# Altium PCB Audio-Beamformer_V1.0.PcbDoc (part 7 of 11) (continued)
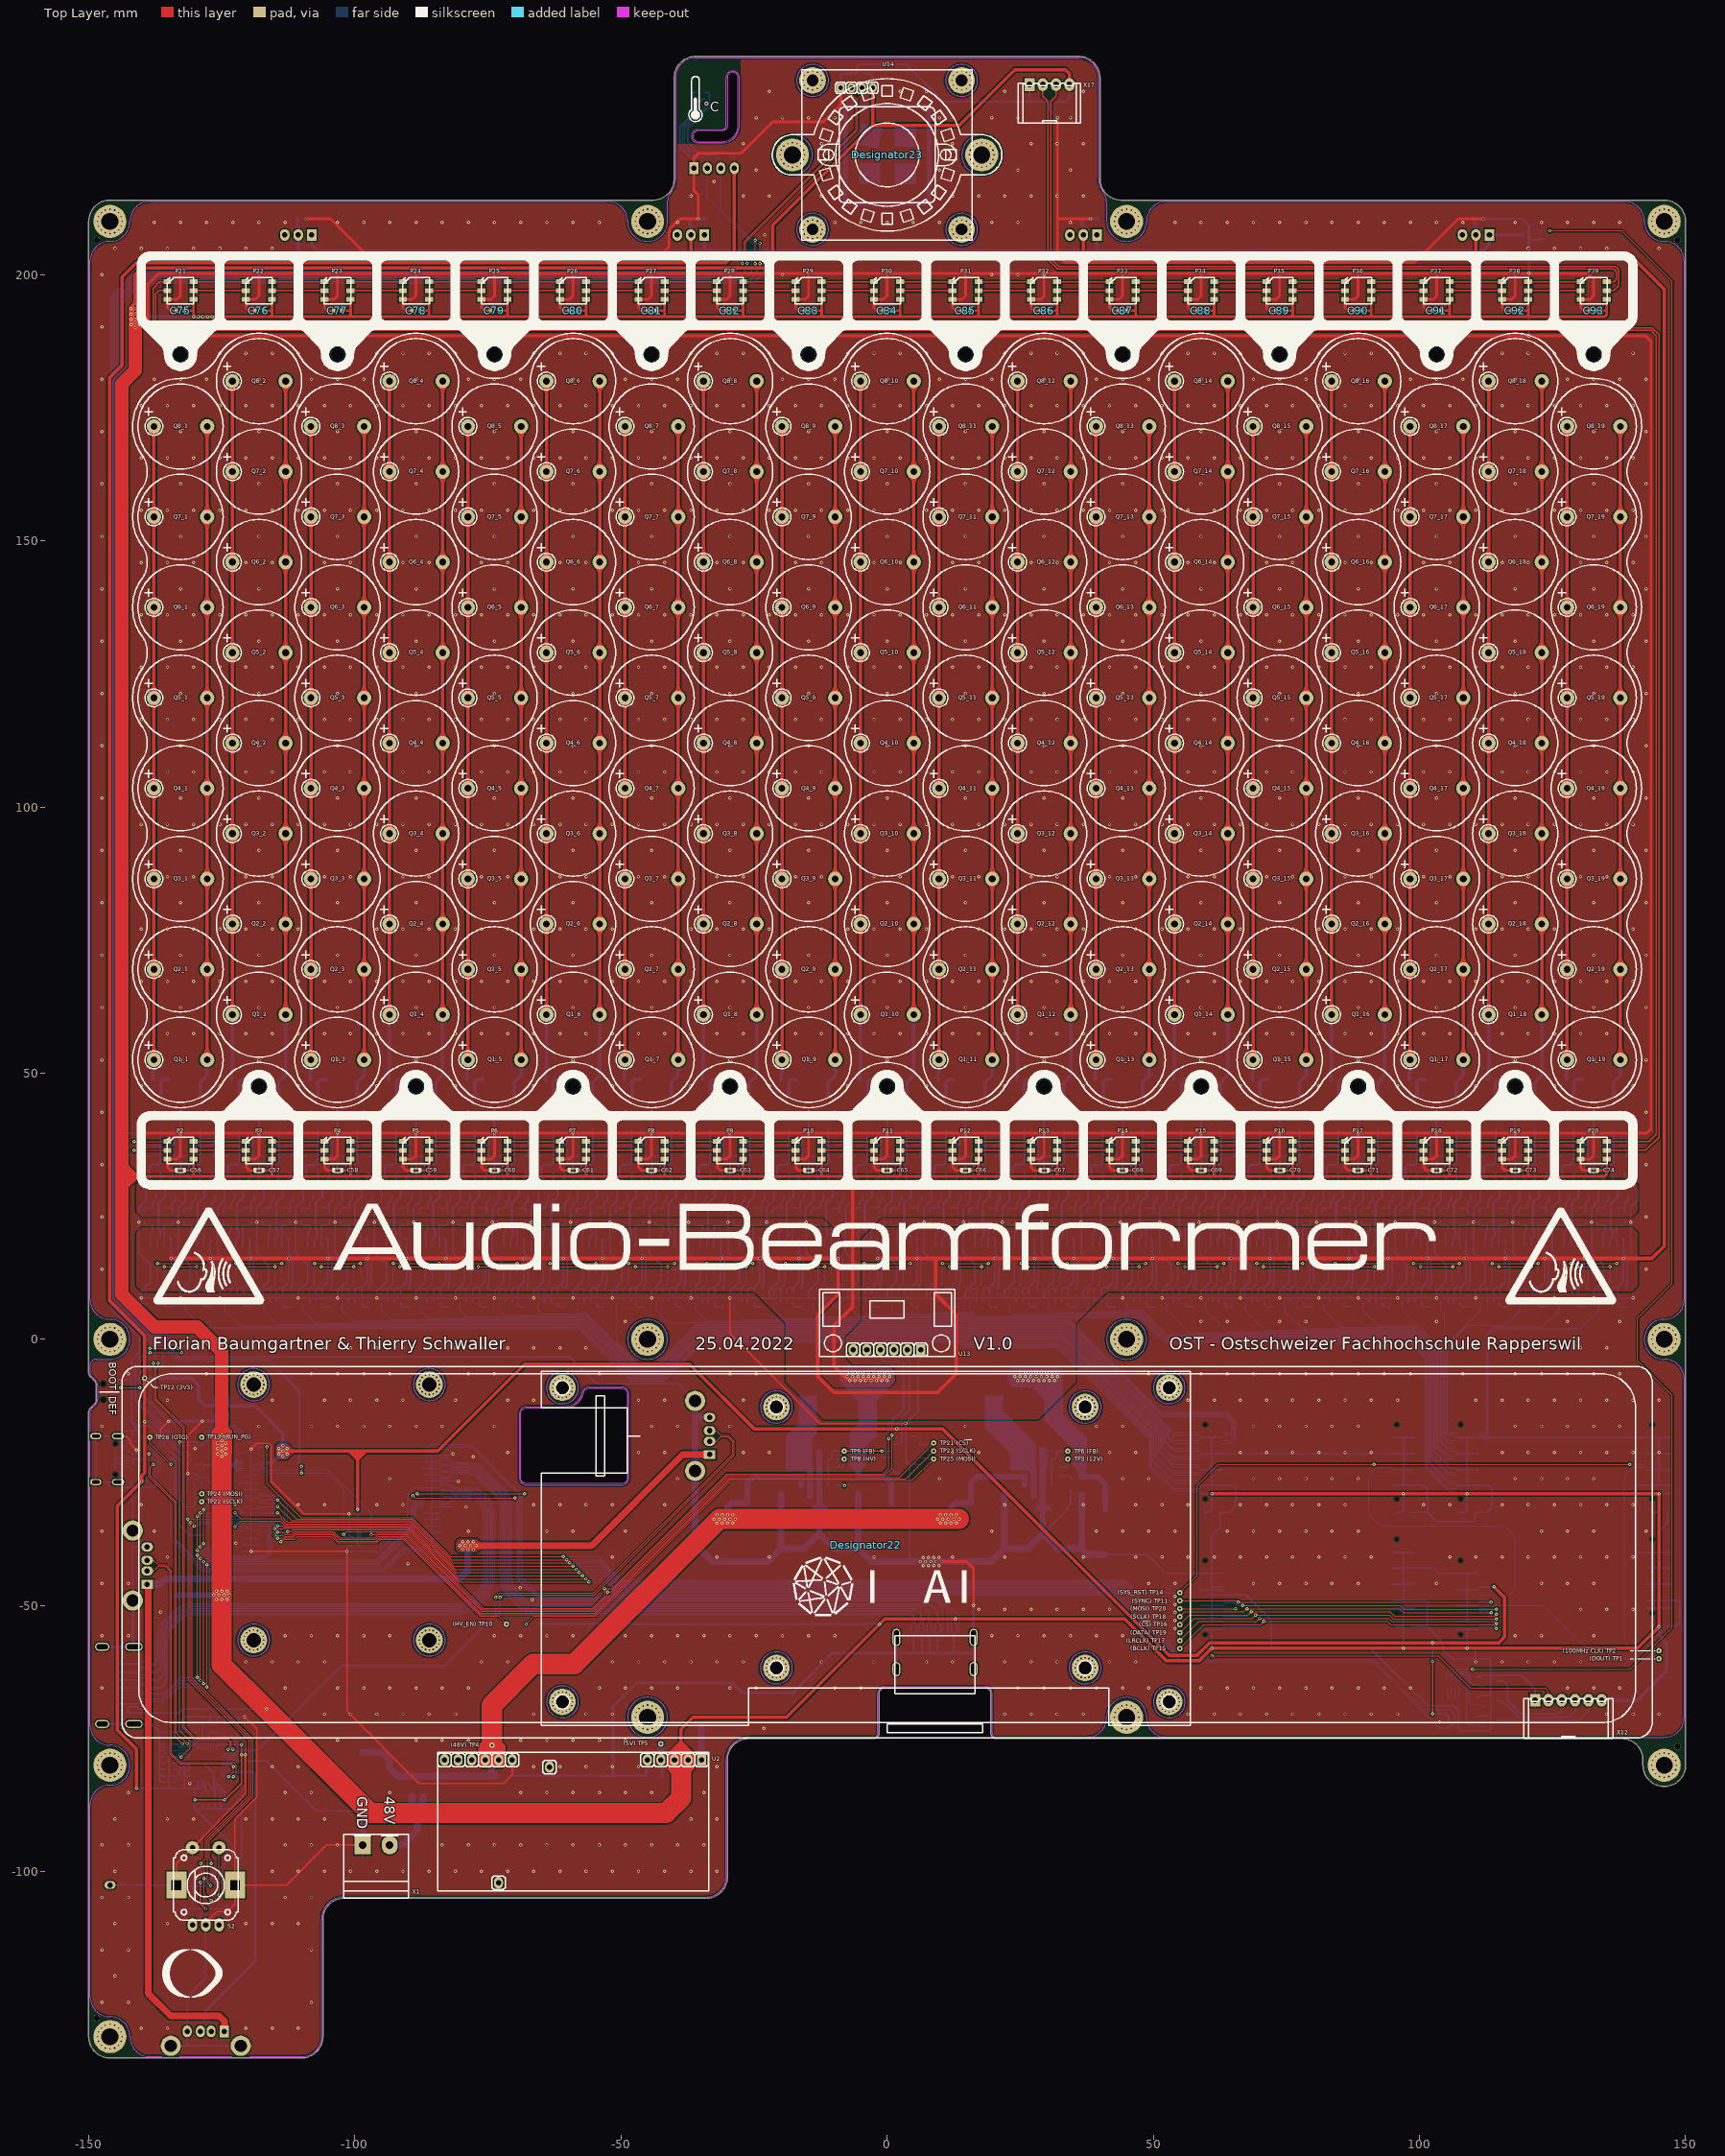
[diagram p0: Top Layer view]
## Nets (pads, with @x,y where several pads share a name; then routed paths per layer and width w, separated by ;. In a path a pad name is that pad's centre, name@x,y a point inside that pad or via, vN(x,y) a via of type N, cw(c..) or ccw(c..) an arc to the next point about the centre after c; other vN are vias at no path point) (continued)
NetC27_2_1: C27_2.1 D6_2.A D8_2.K K1_2.S K2_2.D L3_2.1 R15_2.2 U6_2.6 | length 28.7
  Bottom Layer w0.254: U6_2.6@-114.947,17.45 -114.947,18.855 C27_2.1@-114.449,19.353
  Bottom Layer w0.381: R15_2.2@-116.205,36.5 -114.312,36.5 ; C27_2.1@-114.45,19.5 -114.449,20.339 -114.75,20.639 -114.75,25.563 -113.419,26.894 K1_2.S@-113.419,27.05 -113.47,27.101 -113.47,27.895 -113.825,28.25 -115.906,28.25 -116.156,28.5 K2_2.D@-116.156,29.45 -116.156,30.131 -116.525,30.5 D8_2.K@-116.525,31.13 -116.525,32.381 -116.156,32.75 -114.812,32.75 -114.312,33.25 D6_2.A@-114.312,34.37 -114.312,36.5 ; L3_2.1@-114.312,39.35 -114.312,36.5
NetC27_2_2: C27_2.2 D4_2.K U6_2.8 | length 10.3
  Bottom Layer w0.254: C27_2.2@-112.735,19.168 -112.407,18.84 U6_2.8@-112.407,17.45 -112.407,16.046 -111.692,15.331 -111.692,10.5 -111.931,10.261 D4_2.K@-111.931,9.37
NetC27_3_1: C27_3.1 D6_3.A D8_3.K K1_3.S K2_3.D L3_3.1 R15_3.2 U6_3.6 | length 28.7
  Bottom Layer w0.254: U6_3.6@-100.197,17.45 -100.197,18.855 C27_3.1@-99.699,19.353
  Bottom Layer w0.381: R15_3.2@-101.455,36.5 -99.563,36.5 ; C27_3.1@-99.7,19.5 -99.699,20.339 -100,20.639 -100,25.563 -98.669,26.894 K1_3.S@-98.669,27.05 -98.72,27.101 -98.72,27.895 -99.075,28.25 -101.156,28.25 -101.406,28.5 K2_3.D@-101.406,29.45 -101.406,30.131 -101.775,30.5 D8_3.K@-101.775,31.13 -101.775,32.381 -101.406,32.75 -100.062,32.75 -99.563,33.25 D6_3.A@-99.563,34.37 -99.563,36.5 ; L3_3.1@-99.563,39.35 -99.563,36.5
NetC27_3_2: C27_3.2 D4_3.K U6_3.8 | length 10.3
  Bottom Layer w0.254: C27_3.2@-97.985,19.168 -97.657,18.84 U6_3.8@-97.657,17.45 -97.657,16.046 -96.942,15.331 -96.942,10.5 -97.181,10.261 D4_3.K@-97.181,9.37
NetC27_4_1: C27_4.1 D6_4.A D8_4.K K1_4.S K2_4.D L3_4.1 R15_4.2 U6_4.6 | length 28.7
  Bottom Layer w0.254: U6_4.6@-85.447,17.45 -85.447,18.855 C27_4.1@-84.949,19.353
  Bottom Layer w0.381: R15_4.2@-86.705,36.5 -84.812,36.5 ; C27_4.1@-84.95,19.5 -84.949,20.339 -85.25,20.639 -85.25,25.563 -83.919,26.894 K1_4.S@-83.919,27.05 -83.97,27.101 -83.97,27.895 -84.325,28.25 -86.406,28.25 -86.656,28.5 K2_4.D@-86.656,29.45 -86.656,30.131 -87.025,30.5 D8_4.K@-87.025,31.13 -87.025,32.381 -86.656,32.75 -85.312,32.75 -84.812,33.25 D6_4.A@-84.812,34.37 -84.812,36.5 ; L3_4.1@-84.812,39.35 -84.812,36.5
NetC27_4_2: C27_4.2 D4_4.K U6_4.8 | length 10.3
  Bottom Layer w0.254: C27_4.2@-83.235,19.168 -82.907,18.84 U6_4.8@-82.907,17.45 -82.907,16.046 -82.192,15.331 -82.192,10.5 -82.431,10.261 D4_4.K@-82.431,9.37
NetC27_5_1: C27_5.1 D6_5.A D8_5.K K1_5.S K2_5.D L3_5.1 R15_5.2 U6_5.6 | length 28.7
  Bottom Layer w0.254: U6_5.6@-70.697,17.45 -70.697,18.855 C27_5.1@-70.199,19.353
  Bottom Layer w0.381: R15_5.2@-71.955,36.5 -70.062,36.5 ; C27_5.1@-70.199,19.5 -70.199,20.339 -70.5,20.639 -70.5,25.563 -69.169,26.894 K1_5.S@-69.169,27.05 -69.22,27.101 -69.22,27.895 -69.575,28.25 -71.656,28.25 -71.906,28.5 K2_5.D@-71.906,29.45 -71.906,30.131 -72.275,30.5 D8_5.K@-72.275,31.13 -72.275,32.381 -71.906,32.75 -70.562,32.75 -70.062,33.25 D6_5.A@-70.062,34.37 -70.062,36.5 ; L3_5.1@-70.062,39.35 -70.062,36.5
NetC27_5_2: C27_5.2 D4_5.K U6_5.8 | length 10.3
  Bottom Layer w0.254: C27_5.2@-68.485,19.168 -68.157,18.84 U6_5.8@-68.157,17.45 -68.157,16.046 -67.442,15.331 -67.442,10.5 -67.681,10.261 D4_5.K@-67.681,9.37
NetC27_6_1: C27_6.1 D6_6.A D8_6.K K1_6.S K2_6.D L3_6.1 R15_6.2 U6_6.6 | length 28.7
  Bottom Layer w0.254: U6_6.6@-55.947,17.45 -55.947,18.855 C27_6.1@-55.449,19.353
  Bottom Layer w0.381: R15_6.2@-57.205,36.5 -55.313,36.5 ; C27_6.1@-55.449,19.5 -55.449,20.339 -55.75,20.639 -55.75,25.563 -54.419,26.894 K1_6.S@-54.419,27.05 -54.47,27.101 -54.47,27.895 -54.825,28.25 -56.906,28.25 -57.156,28.5 K2_6.D@-57.156,29.45 -57.156,30.131 -57.525,30.5 D8_6.K@-57.525,31.13 -57.525,32.381 -57.156,32.75 -55.812,32.75 -55.313,33.25 D6_6.A@-55.313,34.37 -55.313,36.5 ; L3_6.1@-55.313,39.35 -55.313,36.5
NetC27_6_2: C27_6.2 D4_6.K U6_6.8 | length 10.3
  Bottom Layer w0.254: C27_6.2@-53.735,19.168 -53.407,18.84 U6_6.8@-53.407,17.45 -53.407,16.046 -52.692,15.331 -52.692,10.5 -52.931,10.261 D4_6.K@-52.931,9.37
NetC27_7_1: C27_7.1 D6_7.A D8_7.K K1_7.S K2_7.D L3_7.1 R15_7.2 U6_7.6 | length 28.7
  Bottom Layer w0.254: U6_7.6@-41.197,17.45 -41.197,18.855 C27_7.1@-40.699,19.353
  Bottom Layer w0.381: R15_7.2@-42.455,36.5 -40.562,36.5 ; C27_7.1@-40.699,19.5 -40.699,20.339 -41,20.639 -41,25.563 -39.669,26.894 K1_7.S@-39.669,27.05 -39.72,27.101 -39.72,27.895 -40.075,28.25 -42.156,28.25 -42.406,28.5 K2_7.D@-42.406,29.45 -42.406,30.131 -42.775,30.5 D8_7.K@-42.775,31.13 -42.775,32.381 -42.406,32.75 -41.062,32.75 -40.562,33.25 D6_7.A@-40.562,34.37 -40.562,36.5 ; L3_7.1@-40.562,39.35 -40.562,36.5
NetC27_7_2: C27_7.2 D4_7.K U6_7.8 | length 10.3
  Bottom Layer w0.254: C27_7.2@-38.985,19.168 -38.657,18.84 U6_7.8@-38.657,17.45 -38.657,16.046 -37.942,15.331 -37.942,10.5 -38.181,10.261 D4_7.K@-38.181,9.37
NetC27_8_1: C27_8.1 D6_8.A D8_8.K K1_8.S K2_8.D L3_8.1 R15_8.2 U6_8.6 | length 28.7
  Bottom Layer w0.254: U6_8.6@-26.447,17.45 -26.447,18.855 C27_8.1@-25.949,19.353
  Bottom Layer w0.381: R15_8.2@-27.705,36.5 -25.813,36.5 ; C27_8.1@-25.95,19.5 -25.949,20.339 -26.25,20.639 -26.25,25.563 -24.919,26.894 K1_8.S@-24.919,27.05 -24.97,27.101 -24.97,27.895 -25.325,28.25 -27.406,28.25 -27.656,28.5 K2_8.D@-27.656,29.45 -27.656,30.131 -28.025,30.5 D8_8.K@-28.025,31.13 -28.025,32.381 -27.656,32.75 -26.313,32.75 -25.813,33.25 D6_8.A@-25.813,34.37 -25.813,36.5 ; L3_8.1@-25.813,39.35 -25.813,36.5
NetC27_8_2: C27_8.2 D4_8.K U6_8.8 | length 10.3
  Bottom Layer w0.254: C27_8.2@-24.235,19.168 -23.907,18.84 U6_8.8@-23.907,17.45 -23.907,16.046 -23.192,15.331 -23.192,10.5 -23.431,10.261 D4_8.K@-23.431,9.37
NetC27_9_1: C27_9.1 D6_9.A D8_9.K K1_9.S K2_9.D L3_9.1 R15_9.2 U6_9.6 | length 28.7
  Bottom Layer w0.254: U6_9.6@-11.697,17.45 -11.697,18.855 C27_9.1@-11.199,19.353
  Bottom Layer w0.381: R15_9.2@-12.955,36.5 -11.063,36.5 ; C27_9.1@-11.2,19.5 -11.199,20.339 -11.5,20.639 -11.5,25.563 -10.169,26.894 K1_9.S@-10.169,27.05 -10.22,27.101 -10.22,27.895 -10.575,28.25 -12.656,28.25 -12.906,28.5 K2_9.D@-12.906,29.45 -12.906,30.131 -13.275,30.5 D8_9.K@-13.275,31.13 -13.275,32.381 -12.906,32.75 -11.562,32.75 -11.063,33.25 D6_9.A@-11.063,34.37 -11.063,36.5 ; L3_9.1@-11.063,39.35 -11.063,36.5
NetC27_9_2: C27_9.2 D4_9.K U6_9.8 | length 10.3
  Bottom Layer w0.254: C27_9.2@-9.485,19.168 -9.157,18.84 U6_9.8@-9.157,17.45 -9.157,16.046 -8.442,15.331 -8.442,10.5 -8.681,10.261 D4_9.K@-8.681,9.37
NetC27_10_1: C27_10.1 D6_10.A D8_10.K K1_10.S K2_10.D L3_10.1 R15_10.2 U6_10.6 | length 28.7
  Bottom Layer w0.254: U6_10.6@3.053,17.45 3.053,18.855 C27_10.1@3.551,19.353
  Bottom Layer w0.381: R15_10.2@1.795,36.5 3.688,36.5 ; C27_10.1@3.55,19.5 3.551,20.339 3.25,20.639 3.25,25.563 4.581,26.894 K1_10.S@4.581,27.05 4.53,27.101 4.53,27.895 4.175,28.25 2.094,28.25 1.844,28.5 K2_10.D@1.844,29.45 1.844,30.131 1.475,30.5 D8_10.K@1.475,31.13 1.475,32.381 1.844,32.75 3.188,32.75 3.688,33.25 D6_10.A@3.688,34.37 3.688,36.5 ; L3_10.1@3.688,39.35 3.688,36.5
NetC27_10_2: C27_10.2 D4_10.K U6_10.8 | length 10.3
  Bottom Layer w0.254: C27_10.2@5.265,19.168 5.593,18.84 U6_10.8@5.593,17.45 5.593,16.046 6.308,15.331 6.308,10.5 6.069,10.261 D4_10.K@6.069,9.37
NetC27_11_1: C27_11.1 D6_11.A D8_11.K K1_11.S K2_11.D L3_11.1 R15_11.2 U6_11.6 | length 28.7
  Bottom Layer w0.254: U6_11.6@17.803,17.45 17.803,18.855 C27_11.1@18.301,19.353
  Bottom Layer w0.381: R15_11.2@16.545,36.5 18.438,36.5 ; C27_11.1@18.3,19.5 18.301,20.339 18,20.639 18,25.563 19.331,26.894 K1_11.S@19.331,27.05 19.28,27.101 19.28,27.895 18.925,28.25 16.844,28.25 16.594,28.5 K2_11.D@16.594,29.45 16.594,30.131 16.225,30.5 D8_11.K@16.225,31.13 16.225,32.381 16.594,32.75 17.938,32.75 18.438,33.25 D6_11.A@18.438,34.37 18.438,36.5 ; L3_11.1@18.438,39.35 18.438,36.5
NetC27_11_2: C27_11.2 D4_11.K U6_11.8 | length 10.3
  Bottom Layer w0.254: C27_11.2@20.015,19.168 20.343,18.84 U6_11.8@20.343,17.45 20.343,16.046 21.058,15.331 21.058,10.5 20.819,10.261 D4_11.K@20.819,9.37
NetC27_12_1: C27_12.1 D6_12.A D8_12.K K1_12.S K2_12.D L3_12.1 R15_12.2 U6_12.6 | length 28.7
  Bottom Layer w0.254: U6_12.6@32.553,17.45 32.553,18.855 C27_12.1@33.051,19.353
  Bottom Layer w0.381: R15_12.2@31.295,36.5 33.188,36.5 ; C27_12.1@33.05,19.5 33.051,20.339 32.75,20.639 32.75,25.563 34.081,26.894 K1_12.S@34.081,27.05 34.03,27.101 34.03,27.895 33.675,28.25 31.594,28.25 31.344,28.5 K2_12.D@31.344,29.45 31.344,30.131 30.975,30.5 D8_12.K@30.975,31.13 30.975,32.381 31.344,32.75 32.688,32.75 33.188,33.25 D6_12.A@33.188,34.37 33.188,36.5 ; L3_12.1@33.188,39.35 33.188,36.5
NetC27_12_2: C27_12.2 D4_12.K U6_12.8 | length 10.3
  Bottom Layer w0.254: C27_12.2@34.765,19.168 35.093,18.84 U6_12.8@35.093,17.45 35.093,16.046 35.808,15.331 35.808,10.5 35.569,10.261 D4_12.K@35.569,9.37
NetC27_13_1: C27_13.1 D6_13.A D8_13.K K1_13.S K2_13.D L3_13.1 R15_13.2 U6_13.6 | length 28.7
  Bottom Layer w0.254: U6_13.6@47.303,17.45 47.303,18.855 C27_13.1@47.801,19.353
  Bottom Layer w0.381: R15_13.2@46.045,36.5 47.938,36.5 ; C27_13.1@47.8,19.5 47.801,20.339 47.5,20.639 47.5,25.563 48.831,26.894 K1_13.S@48.831,27.05 48.78,27.101 48.78,27.895 48.425,28.25 46.344,28.25 46.094,28.5 K2_13.D@46.094,29.45 46.094,30.131 45.725,30.5 D8_13.K@45.725,31.13 45.725,32.381 46.094,32.75 47.438,32.75 47.938,33.25 D6_13.A@47.938,34.37 47.938,36.5 ; L3_13.1@47.938,39.35 47.938,36.5
NetC27_13_2: C27_13.2 D4_13.K U6_13.8 | length 10.3
  Bottom Layer w0.254: C27_13.2@49.515,19.168 49.843,18.84 U6_13.8@49.843,17.45 49.843,16.046 50.558,15.331 50.558,10.5 50.319,10.261 D4_13.K@50.319,9.37
NetC27_14_1: C27_14.1 D6_14.A D8_14.K K1_14.S K2_14.D L3_14.1 R15_14.2 U6_14.6 | length 28.7
  Bottom Layer w0.254: U6_14.6@62.053,17.45 62.053,18.855 C27_14.1@62.551,19.353
  Bottom Layer w0.381: R15_14.2@60.795,36.5 62.688,36.5 ; C27_14.1@62.55,19.5 62.551,20.339 62.25,20.639 62.25,25.563 63.581,26.894 K1_14.S@63.581,27.05 63.53,27.101 63.53,27.895 63.175,28.25 61.094,28.25 60.844,28.5 K2_14.D@60.844,29.45 60.844,30.131 60.475,30.5 D8_14.K@60.475,31.13 60.475,32.381 60.844,32.75 62.188,32.75 62.688,33.25 D6_14.A@62.688,34.37 62.688,36.5 ; L3_14.1@62.688,39.35 62.688,36.5
NetC27_14_2: C27_14.2 D4_14.K U6_14.8 | length 10.3
  Bottom Layer w0.254: C27_14.2@64.265,19.168 64.593,18.84 U6_14.8@64.593,17.45 64.593,16.046 65.308,15.331 65.308,10.5 65.069,10.261 D4_14.K@65.069,9.37
NetC27_15_1: C27_15.1 D6_15.A D8_15.K K1_15.S K2_15.D L3_15.1 R15_15.2 U6_15.6 | length 28.7
  Bottom Layer w0.254: U6_15.6@76.803,17.45 76.803,18.855 C27_15.1@77.301,19.353
  Bottom Layer w0.381: R15_15.2@75.545,36.5 77.438,36.5 ; C27_15.1@77.3,19.5 77.301,20.339 77,20.639 77,25.563 78.331,26.894 K1_15.S@78.331,27.05 78.28,27.101 78.28,27.895 77.925,28.25 75.844,28.25 75.594,28.5 K2_15.D@75.594,29.45 75.594,30.131 75.225,30.5 D8_15.K@75.225,31.13 75.225,32.381 75.594,32.75 76.938,32.75 77.438,33.25 D6_15.A@77.438,34.37 77.438,36.5 ; L3_15.1@77.438,39.35 77.438,36.5
NetC27_15_2: C27_15.2 D4_15.K U6_15.8 | length 10.3
  Bottom Layer w0.254: C27_15.2@79.015,19.168 79.343,18.84 U6_15.8@79.343,17.45 79.343,16.046 80.058,15.331 80.058,10.5 79.819,10.261 D4_15.K@79.819,9.37
NetC27_16_1: C27_16.1 D6_16.A D8_16.K K1_16.S K2_16.D L3_16.1 R15_16.2 U6_16.6 | length 28.7
  Bottom Layer w0.254: U6_16.6@91.553,17.45 91.553,18.855 C27_16.1@92.051,19.353
  Bottom Layer w0.381: R15_16.2@90.295,36.5 92.188,36.5 ; C27_16.1@92.05,19.5 92.051,20.339 91.75,20.639 91.75,25.563 93.081,26.894 K1_16.S@93.081,27.05 93.03,27.101 93.03,27.895 92.675,28.25 90.594,28.25 90.344,28.5 K2_16.D@90.344,29.45 90.344,30.131 89.975,30.5 D8_16.K@89.975,31.13 89.975,32.381 90.344,32.75 91.688,32.75 92.188,33.25 D6_16.A@92.188,34.37 92.188,36.5 ; L3_16.1@92.188,39.35 92.188,36.5
NetC27_16_2: C27_16.2 D4_16.K U6_16.8 | length 10.3
  Bottom Layer w0.254: C27_16.2@93.765,19.168 94.093,18.84 U6_16.8@94.093,17.45 94.093,16.046 94.808,15.331 94.808,10.5 94.569,10.261 D4_16.K@94.569,9.37
NetC27_17_1: C27_17.1 D6_17.A D8_17.K K1_17.S K2_17.D L3_17.1 R15_17.2 U6_17.6 | length 28.7
  Bottom Layer w0.254: U6_17.6@106.303,17.45 106.303,18.855 C27_17.1@106.801,19.353
  Bottom Layer w0.381: R15_17.2@105.045,36.5 106.938,36.5 ; C27_17.1@106.801,19.5 106.801,20.339 106.5,20.639 106.5,25.563 107.831,26.894 K1_17.S@107.831,27.05 107.78,27.101 107.78,27.895 107.425,28.25 105.344,28.25 105.094,28.5 K2_17.D@105.094,29.45 105.094,30.131 104.725,30.5 D8_17.K@104.725,31.13 104.725,32.381 105.094,32.75 106.438,32.75 106.938,33.25 D6_17.A@106.938,34.37 106.938,36.5 ; L3_17.1@106.938,39.35 106.938,36.5
NetC27_17_2: C27_17.2 D4_17.K U6_17.8 | length 10.3
  Bottom Layer w0.254: C27_17.2@108.515,19.168 108.843,18.84 U6_17.8@108.843,17.45 108.843,16.046 109.558,15.331 109.558,10.5 109.319,10.261 D4_17.K@109.319,9.37
NetC27_18_1: C27_18.1 D6_18.A D8_18.K K1_18.S K2_18.D L3_18.1 R15_18.2 U6_18.6 | length 28.7
  Bottom Layer w0.254: U6_18.6@121.053,17.45 121.053,18.855 C27_18.1@121.551,19.353
  Bottom Layer w0.381: R15_18.2@119.795,36.5 121.688,36.5 ; C27_18.1@121.551,19.5 121.551,20.339 121.25,20.639 121.25,25.563 122.581,26.894 K1_18.S@122.581,27.05 122.53,27.101 122.53,27.895 122.175,28.25 120.094,28.25 119.844,28.5 K2_18.D@119.844,29.45 119.844,30.131 119.475,30.5 D8_18.K@119.475,31.13 119.475,32.381 119.844,32.75 121.188,32.75 121.688,33.25 D6_18.A@121.688,34.37 121.688,36.5 ; L3_18.1@121.688,39.35 121.688,36.5
NetC27_18_2: C27_18.2 D4_18.K U6_18.8 | length 10.3
  Bottom Layer w0.254: C27_18.2@123.265,19.168 123.593,18.84 U6_18.8@123.593,17.45 123.593,16.046 124.308,15.331 124.308,10.5 124.069,10.261 D4_18.K@124.069,9.37
NetC27_19_1: C27_19.1 D6_19.A D8_19.K K1_19.S K2_19.D L3_19.1 R15_19.2 U6_19.6 | length 28.7
  Bottom Layer w0.254: U6_19.6@135.803,17.45 135.803,18.855 C27_19.1@136.301,19.353
  Bottom Layer w0.381: R15_19.2@134.545,36.5 136.438,36.5 ; C27_19.1@136.3,19.5 136.301,20.339 136,20.639 136,25.563 137.331,26.894 K1_19.S@137.331,27.05 137.28,27.101 137.28,27.895 136.925,28.25 134.844,28.25 134.594,28.5 K2_19.D@134.594,29.45 134.594,30.131 134.225,30.5 D8_19.K@134.225,31.13 134.225,32.381 134.594,32.75 135.938,32.75 136.438,33.25 D6_19.A@136.438,34.37 136.438,36.5 ; L3_19.1@136.438,39.35 136.438,36.5
NetC27_19_2: C27_19.2 D4_19.K U6_19.8 | length 10.3
  Bottom Layer w0.254: C27_19.2@138.015,19.168 138.343,18.84 U6_19.8@138.343,17.45 138.343,16.046 139.058,15.331 139.058,10.5 138.819,10.261 D4_19.K@138.819,9.37
NetC28_1_1: C28_1.1 R15_1.1 | length 2
  Bottom Layer w0.381: R15_1.1@-127.907,36.5 -126.731,36.5 -126.481,36.75 C28_1.1@-126.481,37.262
NetC28_2_1: C28_2.1 R15_2.1 | length 2
  Bottom Layer w0.381: R15_2.1@-113.157,36.5 -111.981,36.5 -111.731,36.75 C28_2.1@-111.731,37.262
NetC28_3_1: C28_3.1 R15_3.1 | length 2
  Bottom Layer w0.381: R15_3.1@-98.407,36.5 -97.231,36.5 -96.981,36.75 C28_3.1@-96.981,37.262
NetC28_4_1: C28_4.1 R15_4.1 | length 2
  Bottom Layer w0.381: R15_4.1@-83.657,36.5 -82.481,36.5 -82.231,36.75 C28_4.1@-82.231,37.262
NetC28_5_1: C28_5.1 R15_5.1 | length 2
  Bottom Layer w0.381: R15_5.1@-68.907,36.5 -67.731,36.5 -67.481,36.75 C28_5.1@-67.481,37.262
NetC28_6_1: C28_6.1 R15_6.1 | length 2
  Bottom Layer w0.381: R15_6.1@-54.157,36.5 -52.981,36.5 -52.731,36.75 C28_6.1@-52.731,37.262
NetC28_7_1: C28_7.1 R15_7.1 | length 2
  Bottom Layer w0.381: R15_7.1@-39.407,36.5 -38.231,36.5 -37.981,36.75 C28_7.1@-37.981,37.262
NetC28_8_1: C28_8.1 R15_8.1 | length 2
  Bottom Layer w0.381: R15_8.1@-24.657,36.5 -23.481,36.5 -23.231,36.75 C28_8.1@-23.231,37.262
NetC28_9_1: C28_9.1 R15_9.1 | length 2
  Bottom Layer w0.381: R15_9.1@-9.907,36.5 -8.731,36.5 -8.481,36.75 C28_9.1@-8.481,37.262
NetC28_10_1: C28_10.1 R15_10.1 | length 2
  Bottom Layer w0.381: R15_10.1@4.843,36.5 6.019,36.5 6.269,36.75 C28_10.1@6.269,37.262
NetC28_11_1: C28_11.1 R15_11.1 | length 2
  Bottom Layer w0.381: R15_11.1@19.593,36.5 20.769,36.5 21.019,36.75 C28_11.1@21.019,37.262
NetC28_12_1: C28_12.1 R15_12.1 | length 2
  Bottom Layer w0.381: R15_12.1@34.343,36.5 35.519,36.5 35.769,36.75 C28_12.1@35.769,37.262
NetC28_13_1: C28_13.1 R15_13.1 | length 2
  Bottom Layer w0.381: R15_13.1@49.093,36.5 50.269,36.5 50.519,36.75 C28_13.1@50.519,37.262
NetC28_14_1: C28_14.1 R15_14.1 | length 2
  Bottom Layer w0.381: R15_14.1@63.843,36.5 65.019,36.5 65.269,36.75 C28_14.1@65.269,37.262
NetC28_15_1: C28_15.1 R15_15.1 | length 2
  Bottom Layer w0.381: R15_15.1@78.593,36.5 79.769,36.5 80.019,36.75 C28_15.1@80.019,37.262
NetC28_16_1: C28_16.1 R15_16.1 | length 2
  Bottom Layer w0.381: R15_16.1@93.343,36.5 94.519,36.5 94.769,36.75 C28_16.1@94.769,37.262
NetC28_17_1: C28_17.1 R15_17.1 | length 2
  Bottom Layer w0.381: R15_17.1@108.093,36.5 109.269,36.5 109.519,36.75 C28_17.1@109.519,37.262
NetC28_18_1: C28_18.1 R15_18.1 | length 2
  Bottom Layer w0.381: R15_18.1@122.843,36.5 124.019,36.5 124.269,36.75 C28_18.1@124.269,37.262
NetC28_19_1: C28_19.1 R15_19.1 | length 2
  Bottom Layer w0.381: R15_19.1@137.593,36.5 138.769,36.5 139.019,36.75 C28_19.1@139.019,37.262
NetC31_1_1: C31_1.1 D11_1.A D13_1.K K3_1.S K4_1.D L4_1.1 R20_1.2 U7_1.6 | length 28.7
  Bottom Layer w0.254: U7_1.6@-137.072,17.45 -137.072,18.855 C31_1.1@-136.574,19.353
  Bottom Layer w0.381: R20_1.2@-138.33,36.5 -136.438,36.5 ; C31_1.1@-136.574,19.5 -136.574,20.339 -136.875,20.639 -136.875,25.563 -135.544,26.894 K3_1.S@-135.544,27.05 -135.595,27.101 -135.595,27.895 -135.95,28.25 -138.031,28.25 -138.281,28.5 K4_1.D@-138.281,29.45 -138.281,30.131 -138.65,30.5 D13_1.K@-138.65,31.13 -138.65,32.381 -138.281,32.75 -136.938,32.75 -136.438,33.25 D11_1.A@-136.438,34.37 -136.438,36.5 ; L4_1.1@-136.438,39.35 -136.438,36.5
NetC31_1_2: C31_1.2 D9_1.K U7_1.8 | length 10.6
  Bottom Layer w0.254: C31_1.2@-134.86,19.168 -134.532,18.84 U7_1.8@-134.532,17.45 -134.532,16.046 -133.817,15.331 -133.817,10.5 -134.056,10.261 D9_1.K@-134.056,9.37 ; D9_1.K@-134.017,9.397 D9_1.K@-133.817,9.597
NetC31_2_1: C31_2.1 D11_2.A D13_2.K K3_2.S K4_2.D L4_2.1 R20_2.2 U7_2.6 | length 28.7
  Bottom Layer w0.254: U7_2.6@-122.322,17.45 -122.322,18.855 C31_2.1@-121.824,19.353
  Bottom Layer w0.381: R20_2.2@-123.58,36.5 -121.688,36.5 ; C31_2.1@-121.825,19.5 -121.824,20.339 -122.125,20.639 -122.125,25.563 -120.794,26.894 K3_2.S@-120.794,27.05 -120.845,27.101 -120.845,27.895 -121.2,28.25 -123.281,28.25 -123.531,28.5 K4_2.D@-123.531,29.45 -123.531,30.131 -123.9,30.5 D13_2.K@-123.9,31.13 -123.9,32.381 -123.531,32.75 -122.188,32.75 -121.688,33.25 D11_2.A@-121.688,34.37 -121.688,36.5 ; L4_2.1@-121.688,39.35 -121.688,36.5
NetC31_2_2: C31_2.2 D9_2.K U7_2.8 | length 10.6
  Bottom Layer w0.254: C31_2.2@-120.11,19.168 -119.782,18.84 U7_2.8@-119.782,17.45 -119.782,16.046 -119.067,15.331 -119.067,10.5 -119.306,10.261 D9_2.K@-119.306,9.37 ; D9_2.K@-119.267,9.397 D9_2.K@-119.067,9.597
NetC31_3_1: C31_3.1 D11_3.A D13_3.K K3_3.S K4_3.D L4_3.1 R20_3.2 U7_3.6 | length 28.7
  Bottom Layer w0.254: U7_3.6@-107.572,17.45 -107.572,18.855 C31_3.1@-107.074,19.353
  Bottom Layer w0.381: R20_3.2@-108.83,36.5 -106.938,36.5 ; C31_3.1@-107.075,19.5 -107.074,20.339 -107.375,20.639 -107.375,25.563 -106.044,26.894 K3_3.S@-106.044,27.05 -106.095,27.101 -106.095,27.895 -106.45,28.25 -108.531,28.25 -108.781,28.5 K4_3.D@-108.781,29.45 -108.781,30.131 -109.15,30.5 D13_3.K@-109.15,31.13 -109.15,32.381 -108.781,32.75 -107.438,32.75 -106.938,33.25 D11_3.A@-106.938,34.37 -106.938,36.5 ; L4_3.1@-106.938,39.35 -106.938,36.5
NetC31_3_2: C31_3.2 D9_3.K U7_3.8 | length 10.6
  Bottom Layer w0.254: C31_3.2@-105.36,19.168 -105.032,18.84 U7_3.8@-105.032,17.45 -105.032,16.046 -104.317,15.331 ; D9_3.K@-104.556,9.37 -104.556,10.261 -104.317,10.5 -104.317,15.331 ; D9_3.K@-104.517,9.397 D9_3.K@-104.317,9.597
NetC31_4_1: C31_4.1 D11_4.A D13_4.K K3_4.S K4_4.D L4_4.1 R20_4.2 U7_4.6 | length 28.7
  Bottom Layer w0.254: U7_4.6@-92.822,17.45 -92.822,18.855 C31_4.1@-92.324,19.353
  Bottom Layer w0.381: R20_4.2@-94.08,36.5 -92.188,36.5 ; C31_4.1@-92.325,19.5 -92.324,20.339 -92.625,20.639 -92.625,25.563 -91.294,26.894 K3_4.S@-91.294,27.05 -91.345,27.101 -91.345,27.895 -91.7,28.25 -93.781,28.25 -94.031,28.5 K4_4.D@-94.031,29.45 -94.031,30.131 -94.4,30.5 D13_4.K@-94.4,31.13 -94.4,32.381 -94.031,32.75 -92.688,32.75 -92.188,33.25 D11_4.A@-92.188,34.37 -92.188,36.5 ; L4_4.1@-92.188,39.35 -92.188,36.5
NetC31_4_2: C31_4.2 D9_4.K U7_4.8 | length 10.6
  Bottom Layer w0.254: C31_4.2@-90.61,19.168 -90.282,18.84 U7_4.8@-90.282,17.45 -90.282,16.046 -89.567,15.331 -89.567,10.5 -89.806,10.261 D9_4.K@-89.806,9.37 ; D9_4.K@-89.767,9.397 D9_4.K@-89.567,9.597
NetC31_5_1: C31_5.1 D11_5.A D13_5.K K3_5.S K4_5.D L4_5.1 R20_5.2 U7_5.6 | length 28.7
  Bottom Layer w0.254: U7_5.6@-78.072,17.45 -78.072,18.855 C31_5.1@-77.574,19.353
  Bottom Layer w0.381: R20_5.2@-79.33,36.5 -77.438,36.5 ; C31_5.1@-77.575,19.5 -77.574,20.339 -77.875,20.639 -77.875,25.563 -76.544,26.894 K3_5.S@-76.544,27.05 -76.595,27.101 -76.595,27.895 -76.95,28.25 -79.031,28.25 -79.281,28.5 K4_5.D@-79.281,29.45 -79.281,30.131 -79.65,30.5 D13_5.K@-79.65,31.13 -79.65,32.381 -79.281,32.75 -77.937,32.75 -77.438,33.25 D11_5.A@-77.438,34.37 -77.438,36.5 ; L4_5.1@-77.438,39.35 -77.438,36.5
NetC31_5_2: C31_5.2 D9_5.K U7_5.8 | length 10.6
  Bottom Layer w0.254: C31_5.2@-75.86,19.168 -75.532,18.84 U7_5.8@-75.532,17.45 -75.532,16.046 -74.817,15.331 -74.817,10.5 -75.056,10.261 D9_5.K@-75.056,9.37 ; D9_5.K@-75.017,9.397 D9_5.K@-74.817,9.597
NetC31_6_1: C31_6.1 D11_6.A D13_6.K K3_6.S K4_6.D L4_6.1 R20_6.2 U7_6.6 | length 28.7
  Bottom Layer w0.254: U7_6.6@-63.322,17.45 -63.322,18.855 C31_6.1@-62.824,19.353
  Bottom Layer w0.381: R20_6.2@-64.58,36.5 -62.688,36.5 ; C31_6.1@-62.825,19.5 -62.824,20.339 -63.125,20.639 -63.125,25.563 -61.794,26.894 K3_6.S@-61.794,27.05 -61.845,27.101 -61.845,27.895 -62.2,28.25 -64.281,28.25 -64.531,28.5 K4_6.D@-64.531,29.45 -64.531,30.131 -64.9,30.5 D13_6.K@-64.9,31.13 -64.9,32.381 -64.531,32.75 -63.188,32.75 -62.688,33.25 D11_6.A@-62.688,34.37 -62.688,36.5 ; L4_6.1@-62.688,39.35 -62.688,36.5
NetC31_6_2: C31_6.2 D9_6.K U7_6.8 | length 10.6
  Bottom Layer w0.254: C31_6.2@-61.11,19.168 -60.782,18.84 U7_6.8@-60.782,17.45 -60.782,16.046 -60.067,15.331 -60.067,10.5 -60.306,10.261 D9_6.K@-60.306,9.37 ; D9_6.K@-60.267,9.397 D9_6.K@-60.067,9.597
NetC31_7_1: C31_7.1 D11_7.A D13_7.K K3_7.S K4_7.D L4_7.1 R20_7.2 U7_7.6 | length 28.7
  Bottom Layer w0.254: U7_7.6@-48.572,17.45 -48.572,18.855 C31_7.1@-48.074,19.353
  Bottom Layer w0.381: R20_7.2@-49.83,36.5 -47.938,36.5 ; C31_7.1@-48.075,19.5 -48.074,20.339 -48.375,20.639 -48.375,25.563 -47.044,26.894 K3_7.S@-47.044,27.05 -47.095,27.101 -47.095,27.895 -47.45,28.25 -49.531,28.25 -49.781,28.5 K4_7.D@-49.781,29.45 -49.781,30.131 -50.15,30.5 D13_7.K@-50.15,31.13 -50.15,32.381 -49.781,32.75 -48.438,32.75 -47.938,33.25 D11_7.A@-47.938,34.37 -47.938,36.5 ; L4_7.1@-47.938,39.35 -47.938,36.5
NetC31_7_2: C31_7.2 D9_7.K U7_7.8 | length 10.6
  Bottom Layer w0.254: C31_7.2@-46.36,19.168 -46.032,18.84 U7_7.8@-46.032,17.45 -46.032,16.046 -45.317,15.331 -45.317,10.5 -45.556,10.261 D9_7.K@-45.556,9.37 ; D9_7.K@-45.517,9.397 D9_7.K@-45.317,9.597
NetC31_8_1: C31_8.1 D11_8.A D13_8.K K3_8.S K4_8.D L4_8.1 R20_8.2 U7_8.6 | length 28.7
  Bottom Layer w0.254: U7_8.6@-33.822,17.45 -33.822,18.855 C31_8.1@-33.324,19.353
  Bottom Layer w0.381: R20_8.2@-35.08,36.5 -33.188,36.5 ; C31_8.1@-33.325,19.5 -33.324,20.339 -33.625,20.639 -33.625,25.563 -32.294,26.894 K3_8.S@-32.294,27.05 -32.345,27.101 -32.345,27.895 -32.7,28.25 -34.781,28.25 -35.031,28.5 K4_8.D@-35.031,29.45 -35.031,30.131 -35.4,30.5 D13_8.K@-35.4,31.13 -35.4,32.381 -35.031,32.75 -33.688,32.75 -33.188,33.25 D11_8.A@-33.188,34.37 -33.188,36.5 ; L4_8.1@-33.188,39.35 -33.188,36.5
NetC31_8_2: C31_8.2 D9_8.K U7_8.8 | length 10.6
  Bottom Layer w0.254: C31_8.2@-31.61,19.168 -31.282,18.84 U7_8.8@-31.282,17.45 -31.282,16.046 -30.567,15.331 ; D9_8.K@-30.806,9.37 -30.806,10.261 -30.567,10.5 -30.567,15.331 ; D9_8.K@-30.767,9.397 D9_8.K@-30.567,9.597
NetC31_9_1: C31_9.1 D11_9.A D13_9.K K3_9.S K4_9.D L4_9.1 R20_9.2 U7_9.6 | length 28.7
  Bottom Layer w0.254: U7_9.6@-19.072,17.45 -19.072,18.855 C31_9.1@-18.574,19.353
  Bottom Layer w0.381: R20_9.2@-20.33,36.5 -18.438,36.5 ; C31_9.1@-18.575,19.5 -18.574,20.339 -18.875,20.639 -18.875,25.563 -17.544,26.894 K3_9.S@-17.544,27.05 -17.595,27.101 -17.595,27.895 -17.95,28.25 -20.031,28.25 -20.281,28.5 K4_9.D@-20.281,29.45 -20.281,30.131 -20.65,30.5 D13_9.K@-20.65,31.13 -20.65,32.381 -20.281,32.75 -18.938,32.75 -18.438,33.25 D11_9.A@-18.438,34.37 -18.438,36.5 ; L4_9.1@-18.438,39.35 -18.438,36.5
NetC31_9_2: C31_9.2 D9_9.K U7_9.8 | length 10.6
  Bottom Layer w0.254: C31_9.2@-16.86,19.168 -16.532,18.84 U7_9.8@-16.532,17.45 -16.532,16.046 -15.817,15.331 -15.817,10.5 -16.056,10.261 D9_9.K@-16.056,9.37 ; D9_9.K@-16.017,9.397 D9_9.K@-15.817,9.597
NetC31_10_1: C31_10.1 D11_10.A D13_10.K K3_10.S K4_10.D L4_10.1 R20_10.2 U7_10.6 | length 28.7
  Bottom Layer w0.254: U7_10.6@-4.322,17.45 -4.322,18.855 C31_10.1@-3.824,19.353
  Bottom Layer w0.381: R20_10.2@-5.58,36.5 -3.688,36.5 ; C31_10.1@-3.825,19.5 -3.824,20.339 -4.125,20.639 -4.125,25.563 -2.794,26.894 K3_10.S@-2.794,27.05 -2.845,27.101 -2.845,27.895 -3.2,28.25 -5.281,28.25 -5.531,28.5 K4_10.D@-5.531,29.45 -5.531,30.131 -5.9,30.5 D13_10.K@-5.9,31.13 -5.9,32.381 -5.531,32.75 -4.187,32.75 -3.688,33.25 D11_10.A@-3.688,34.37 -3.688,36.5 ; L4_10.1@-3.688,39.35 -3.688,36.5
NetC31_10_2: C31_10.2 D9_10.K U7_10.8 | length 10.6
  Bottom Layer w0.254: C31_10.2@-2.11,19.168 -1.782,18.84 U7_10.8@-1.782,17.45 -1.782,16.046 -1.067,15.331 -1.067,10.5 -1.306,10.261 D9_10.K@-1.306,9.37 ; D9_10.K@-1.267,9.397 D9_10.K@-1.067,9.597
NetC31_11_1: C31_11.1 D11_11.A D13_11.K K3_11.S K4_11.D L4_11.1 R20_11.2 U7_11.6 | length 28.7
  Bottom Layer w0.254: U7_11.6@10.428,17.45 10.428,18.855 C31_11.1@10.926,19.353
  Bottom Layer w0.381: R20_11.2@9.17,36.5 11.063,36.5 ; C31_11.1@10.925,19.5 10.926,20.339 10.625,20.639 10.625,25.563 11.956,26.894 K3_11.S@11.956,27.05 11.905,27.101 11.905,27.895 11.55,28.25 9.469,28.25 9.219,28.5 K4_11.D@9.219,29.45 9.219,30.131 8.85,30.5 D13_11.K@8.85,31.13 8.85,32.381 9.219,32.75 10.563,32.75 11.063,33.25 D11_11.A@11.063,34.37 11.063,36.5 ; L4_11.1@11.063,39.35 11.063,36.5
NetC31_11_2: C31_11.2 D9_11.K U7_11.8 | length 10.6
  Bottom Layer w0.254: C31_11.2@12.64,19.168 12.968,18.84 U7_11.8@12.968,17.45 12.968,16.046 13.683,15.331 13.683,10.5 13.444,10.261 D9_11.K@13.444,9.37 ; D9_11.K@13.483,9.397 D9_11.K@13.683,9.597